# KiCad board SleepyWoof_panelized.kicad_pcb
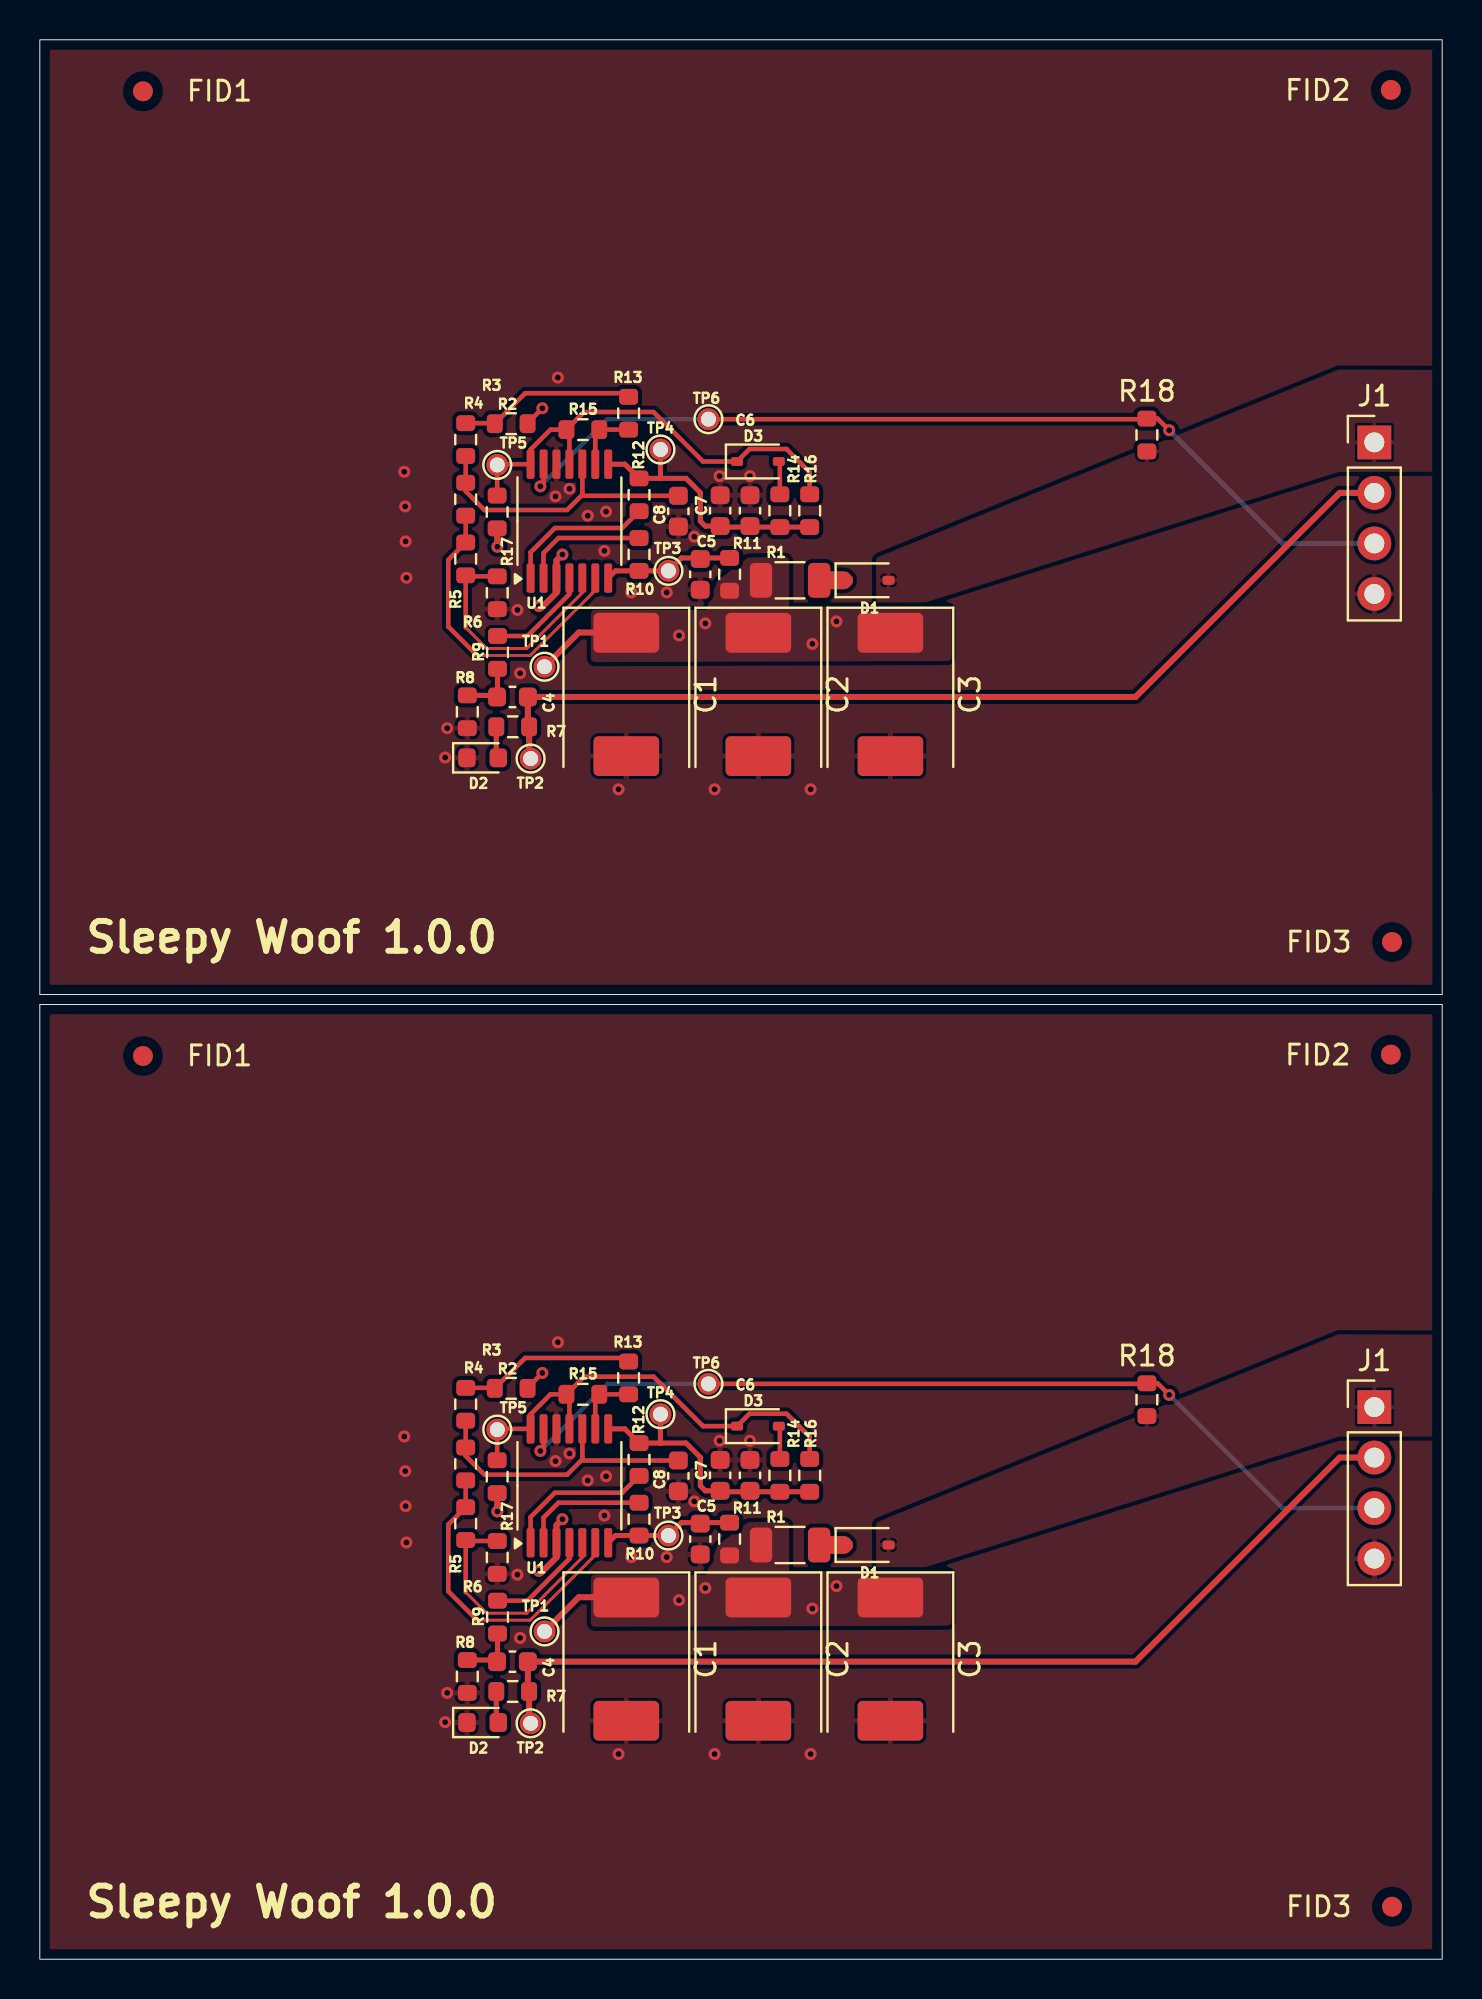
[diagram p0: board, top side]
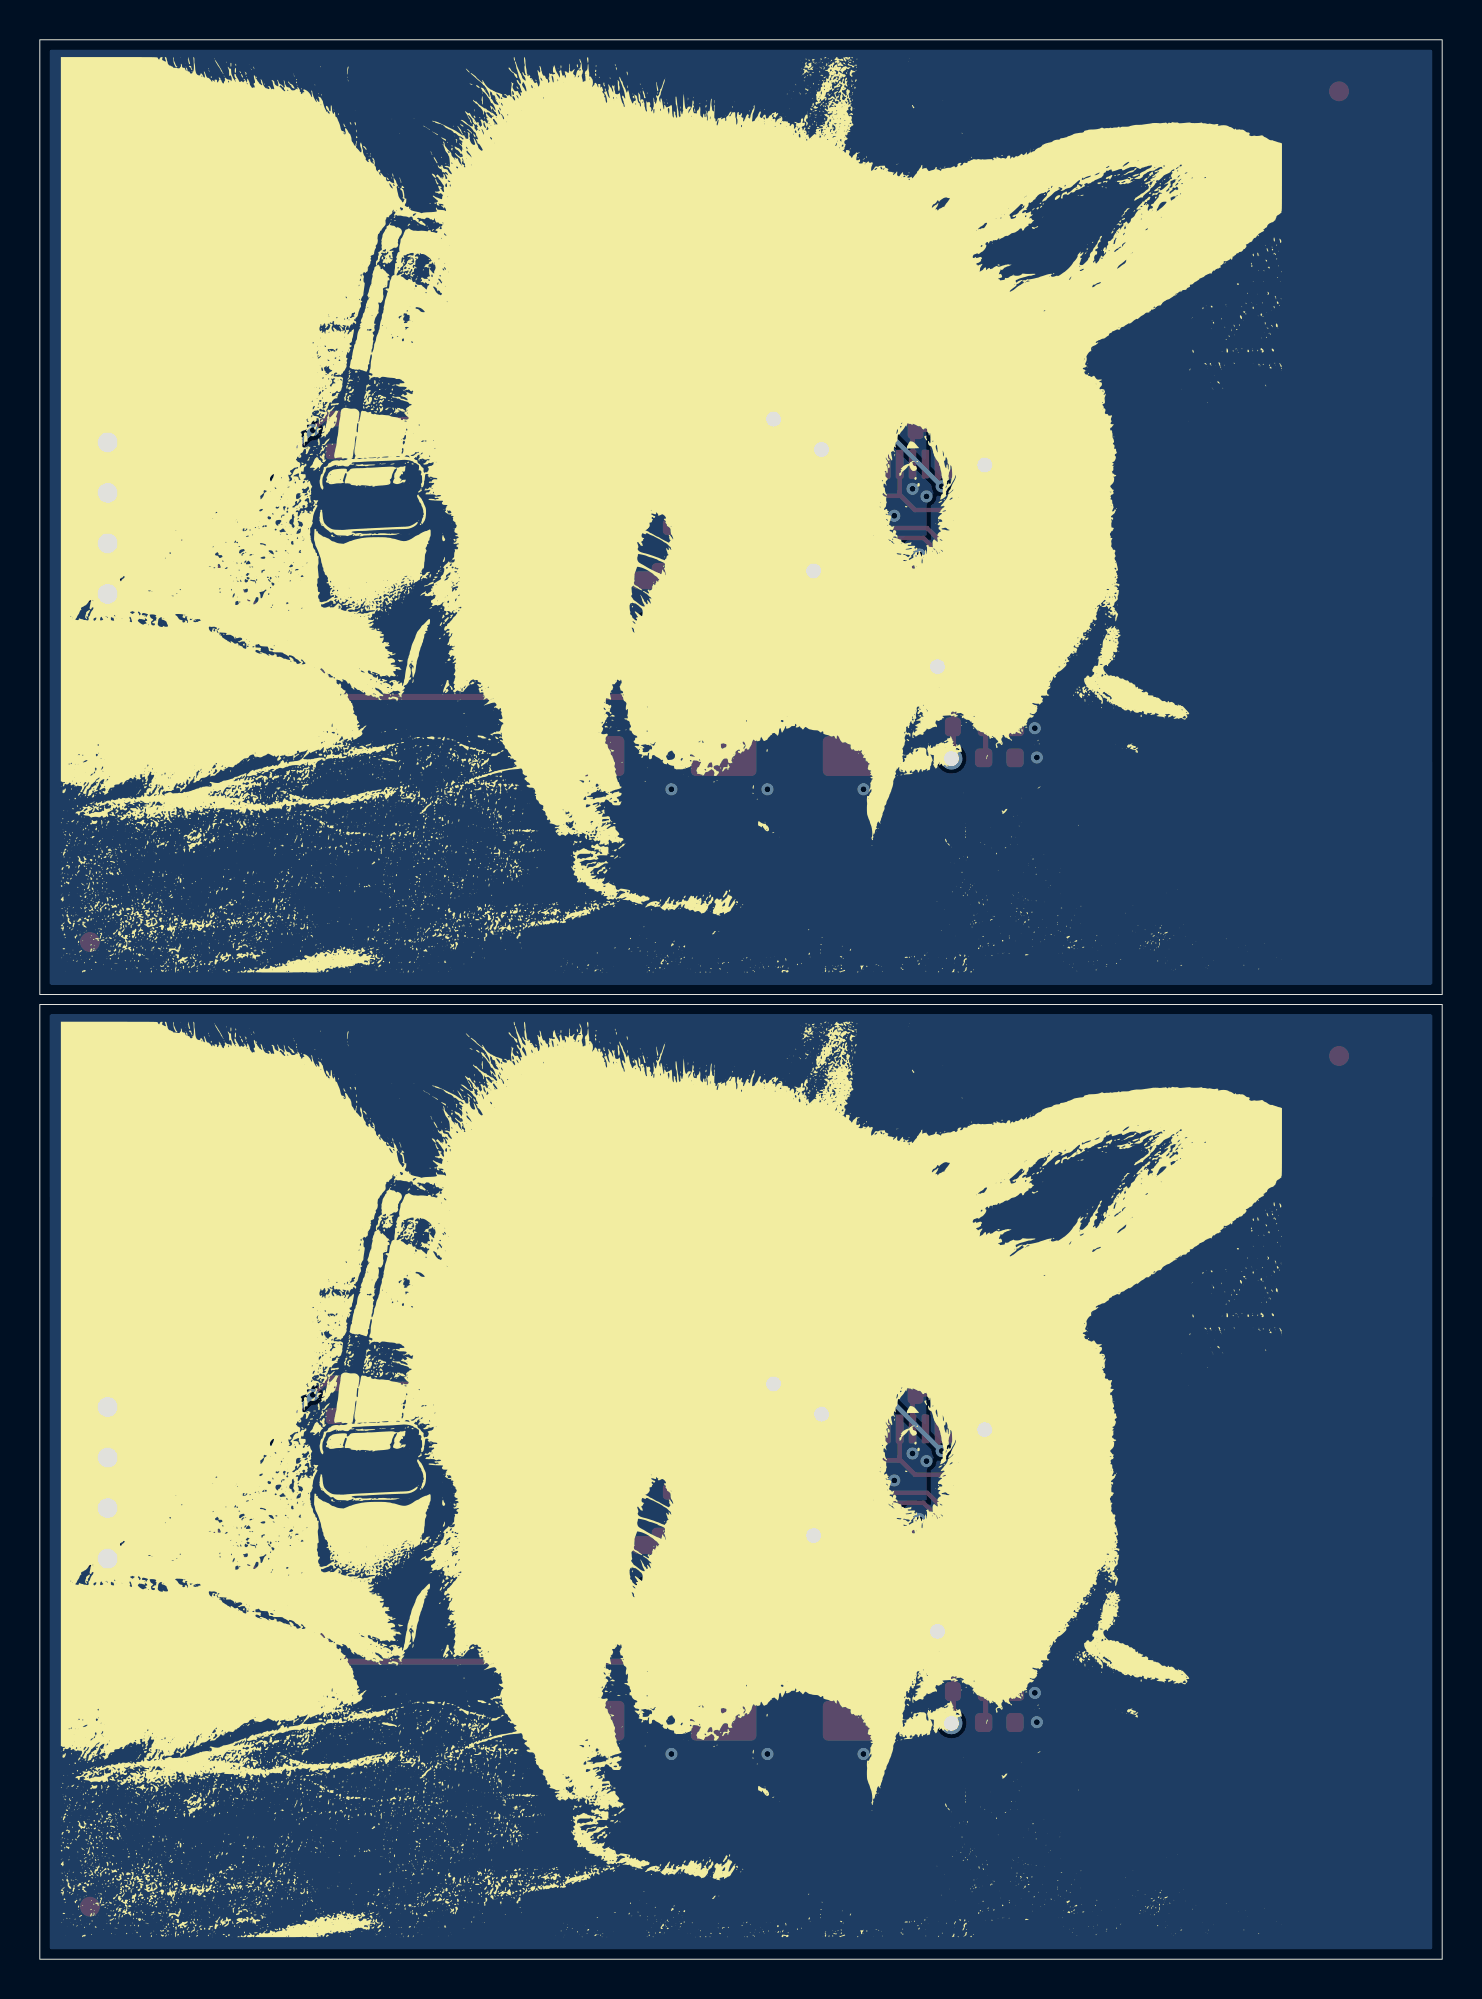
[diagram p1: board, bottom side, seen from below]

Outline 70.47 x 96.5 mm; copper layers: Top, Bottom. Coordinates in mm from the lower left corner of the outline.
Outline path: rectangle 0,96.5 70.47,48.5 ; rectangle 0,48 70.47,0
Stack: Top 0.035mm / dielectric 1.51mm FR4 er 4.5 / Bottom 0.035mm

## Placement (name value [footprint] x y rotation side)
C1  220u  [CP_EIA-7361-38_AVX-V]  29.47 15.09 270 top
C1#2  220u  [CP_EIA-7361-38_AVX-V]  29.47 63.59 270 top
C2  220u  [CP_EIA-7361-38_AVX-V]  36.11 15.09 270 top
C2#2  220u  [CP_EIA-7361-38_AVX-V]  36.11 63.59 270 top
C3  220u  [CP_EIA-7361-38_AVX-V]  42.74 15.09 270 top
C3#2  220u  [CP_EIA-7361-38_AVX-V]  42.74 63.59 270 top
C4  10u  [C_0603_1608Metric]  23.75 14.96 180 top
C4#2  10u  [C_0603_1608Metric]  23.75 63.46 180 top
C5  10u  [C_0603_1608Metric]  33.19 21.12 90 top
C5#2  10u  [C_0603_1608Metric]  33.19 69.62 90 top
C6  10u  [C_0603_1608Metric]  35.69 24.33 270 top
C6#2  10u  [C_0603_1608Metric]  35.69 72.83 270 top
C7  10u  [C_0603_1608Metric]  34.19 24.33 270 top
C7#2  10u  [C_0603_1608Metric]  34.19 72.83 270 top
C8  10u  [C_0603_1608Metric]  32.09 72.8 90 top
C8#2  10u  [C_0603_1608Metric]  32.09 24.3 90 top
D1  1N4151WS  [D_SOD-323]  41.6 20.83 0 top
D1#2  1N4151WS  [D_SOD-323]  41.6 69.33 0 top
D2  GREEN  [LED_0603_1608Metric]  22.25 60.4 0 top
D2#2  GREEN  [LED_0603_1608Metric]  22.25 11.9 0 top
D3  1N4151WS  [D_SOD-323]  36.09 26.8 0 top
D3#2  1N4151WS  [D_SOD-323]  36.09 75.3 0 top
FID1  Fiducial  [Fiducial_1mm_Mask2mm]  5.18 45.41 0 top
FID1#2  Fiducial  [Fiducial_1mm_Mask2mm]  5.18 93.91 0 top
FID2  Fiducial  [Fiducial_1mm_Mask2mm]  67.89 45.48 0 top
FID2#2  Fiducial  [Fiducial_1mm_Mask2mm]  67.89 93.98 0 top
FID3  Fiducial  [Fiducial_1mm_Mask2mm]  67.95 2.64 0 top
FID3#2  Fiducial  [Fiducial_1mm_Mask2mm]  67.95 51.14 0 top
G***  LOGO  [sleepy_charlie]  38.73 24.12 180 bottom
G***#2  LOGO  [sleepy_charlie]  38.73 72.62 180 bottom
J1  Conn_01x04  [PinHeader_1x04_P2.54mm_Vertical]  67.06 27.76 0 top
J1#2  Conn_01x04  [PinHeader_1x04_P2.54mm_Vertical]  67.06 76.26 0 top
R1  10 (1206)  [R_1206_3216Metric]  37.7 20.83 180 top
R1#2  10 (1206)  [R_1206_3216Metric]  37.7 69.33 180 top
R2  10k  [R_0603_1608Metric]  23.69 28.7 180 top
R2#2  10k  [R_0603_1608Metric]  23.69 77.2 180 top
R3  10k  [R_0603_1608Metric]  21.4 27.9 270 top
R3#2  10k  [R_0603_1608Metric]  21.4 76.4 270 top
R4  10k  [R_0603_1608Metric]  21.4 24.9 270 top
R4#2  10k  [R_0603_1608Metric]  21.4 73.4 270 top
R5  3.0k  [R_0603_1608Metric]  21.4 21.9 270 top
R5#2  3.0k  [R_0603_1608Metric]  21.4 70.4 270 top
R6  3.0k  [R_0603_1608Metric]  22.99 20.2 270 top
R6#2  3.0k  [R_0603_1608Metric]  22.99 68.7 270 top
R7  3.0k  [R_0603_1608Metric]  23.76 13.46 180 top
R7#2  3.0k  [R_0603_1608Metric]  23.76 61.96 180 top
R8  10k  [R_0603_1608Metric]  21.48 14.22 270 top
R8#2  10k  [R_0603_1608Metric]  21.48 62.72 270 top
R9  10k  [R_0603_1608Metric]  23 17.2 90 top
R9#2  10k  [R_0603_1608Metric]  23 65.7 90 top
R10  1k  [R_0603_1608Metric]  30.11 22.12 270 top
R10#2  1k  [R_0603_1608Metric]  30.11 70.62 270 top
R11  100k  [R_0603_1608Metric]  34.66 21.12 90 top
R11#2  100k  [R_0603_1608Metric]  34.66 69.62 90 top
R12  1k  [R_0603_1608Metric]  30.11 25.12 90 top
R12#2  1k  [R_0603_1608Metric]  30.11 73.62 90 top
R13  100k  [R_0603_1608Metric]  29.59 29.23 90 top
R13#2  100k  [R_0603_1608Metric]  29.59 77.73 90 top
R14  100k  [R_0603_1608Metric]  37.19 24.33 270 top
R14#2  100k  [R_0603_1608Metric]  37.19 72.83 270 top
R15  100k  [R_0603_1608Metric]  27.29 28.4 180 top
R15#2  100k  [R_0603_1608Metric]  27.29 76.9 180 top
R16  4.7M  [R_0603_1608Metric]  38.69 24.33 270 top
R16#2  4.7M  [R_0603_1608Metric]  38.69 72.83 270 top
R17  100k  [R_0603_1608Metric]  22.98 24.26 270 top
R17#2  100k  [R_0603_1608Metric]  22.98 72.76 270 top
R18  100k  [R_0603_1608Metric]  55.63 28.13 270 top
R18#2  100k  [R_0603_1608Metric]  55.63 76.63 270 top
TP1  TestPoint-MinTH  [TestPoint-0.75mm-th]  25.36 16.48 0 top
TP1#2  TestPoint-MinTH  [TestPoint-0.75mm-th]  25.36 64.98 0 top
TP2  TestPoint-MinTH  [TestPoint-0.75mm-th]  24.66 11.86 0 top
TP2#2  TestPoint-MinTH  [TestPoint-0.75mm-th]  24.66 60.36 0 top
TP3  TestPoint-MinTH  [TestPoint-0.75mm-th]  31.59 21.3 0 top
TP3#2  TestPoint-MinTH  [TestPoint-0.75mm-th]  31.59 69.8 0 top
TP4  TestPoint-MinTH  [TestPoint-0.75mm-th]  31.19 27.4 0 top
TP4#2  TestPoint-MinTH  [TestPoint-0.75mm-th]  31.19 75.9 0 top
TP5  TestPoint-MinTH  [TestPoint-0.75mm-th]  22.99 26.62 0 top
TP5#2  TestPoint-MinTH  [TestPoint-0.75mm-th]  22.99 75.12 0 top
TP6  TestPoint-MinTH  [TestPoint-0.75mm-th]  33.6 28.93 0 top
TP6#2  TestPoint-MinTH  [TestPoint-0.75mm-th]  33.6 77.43 0 top
U1  TLV1704  [TSSOP-14_4.4x5mm_P0.65mm]  26.61 23.8 90 top
U1#2  TLV1704  [TSSOP-14_4.4x5mm_P0.65mm]  26.61 72.3 90 top

## Library data of the parts
C1 = -: Description: 220µF Molded Tantalum Capacitors 25V 2924 (7361 Metric) 100mOhm @ 100kHz; DPN: 478-12518-2-ND; DST: Digi-Key; MFR: Kyocera AVX; MPN: TCN4227M025R0100; ki_fp_filters: CP_*
C1#2 = -: Description: 220µF Molded Tantalum Capacitors 25V 2924 (7361 Metric) 100mOhm @ 100kHz; DPN: 478-12518-2-ND; DST: Digi-Key; MFR: Kyocera AVX; MPN: TCN4227M025R0100
C2 C3 = -: Description: 220µF Molded Tantalum Capacitors 16V 2917 (7343 Metric) 100mOhm @ 100kHz; DPN: 478-12518-2-ND; DST: Digi-Key; MFR: Kyocera AVX; MPN: TCN4227M025R0100; ki_fp_filters: CP_*
C2#2 C3#2 = -: Description: 220µF Molded Tantalum Capacitors 16V 2917 (7343 Metric) 100mOhm @ 100kHz; DPN: 478-12518-2-ND; DST: Digi-Key; MFR: Kyocera AVX; MPN: TCN4227M025R0100
C4-C7 C8#2 = -: Description: 10 µF ±10% 16V Ceramic Capacitor X5R 0603 (1608 Metric); DPN: 490-12317-1-ND; DST: Digi-Key; MFR: Murata; MPN: GRT188R61C106KE13D; ki_fp_filters: C_*
C4#2 C5#2 C6#2 C7#2 C8 = -: Description: 10 µF ±10% 16V Ceramic Capacitor X5R 0603 (1608 Metric); DPN: 490-12317-1-ND; DST: Digi-Key; MFR: Murata; MPN: GRT188R61C106KE13D
D1 D1#2 D3 D3#2 = -: Datasheet: https://www.vishay.com/docs/85847/1n4151ws.pdf; Description: Diode Standard 50V 150mA Surface Mount SOD-323; DPN: 112-1N4151WS-E3-08CT-ND; DST: Digi-Key; MFR: Vishay; MPN: 1N4151WS-E3-08
D2 = -: Description: Green 520nm LED Indication - Discrete 3.2V 0603 (1608 Metric) - 430 mcd @ 20 mA; DPN: 732-4971-1-ND; DST: Digi-Key; MFR: Wurth; MPN: 150060GS75000
D2#2 = -: Description: Green 520nm LED Indication - Discrete 3.2V 0603 (1608 Metric) - 430 mcd @ 20 mA; DPN: 732-4971-1-ND; DST: Digi-Key; MFR: Wurth; MPN: 150060GS75000; ki_fp_filters: LED* LED_SMD:* LED_THT:*
FID1-FID3 = -: Description: Fiducial Marker; ki_fp_filters: Fiducial*
FID1#2 FID2#2 FID3#2 = -: Description: Fiducial Marker
J1 = -: Description: Generic connector, single row, 01x04, script generated (kicad-library-utils/schlib/autogen/connector/); ki_fp_filters: Connector*:*_1x??_*
J1#2 = -: Description: Generic connector, single row, 01x04, script generated (kicad-library-utils/schlib/autogen/connector/)
R1 = -: Description: 10 Ohms ±1% 0.5W, 1/2W Chip Resistor 1206 (3216 Metric) Automotive AEC-Q200, Pulse Withstanding Thick Film; DPN: RHM10.0AFCT-ND; DST: Digi-Key; MFR: Rohm Semiconductor; MPN: ESR18EZPF10R0; ki_fp_filters: R_*
R1#2 = -: Description: 10 Ohms ±1% 0.5W, 1/2W Chip Resistor 1206 (3216 Metric) Automotive AEC-Q200, Pulse Withstanding Thick Film; DPN: RHM10.0AFCT-ND; DST: Digi-Key; MFR: Rohm Semiconductor; MPN: ESR18EZPF10R0
R2-R4 R8 R9 = -: Description: 10 kOhms ±1% 0.1W, 1/10W Chip Resistor 0603 (1608 Metric) Automotive AEC-Q200 Thick Film; DPN: RMCF0603FT10K0CT-ND; DST: Digi-Key; MFR: Stackpole Electronics Inc; MPN: RMCF0603FT10K0; ki_fp_filters: R_*
R2#2 R3#2 R4#2 R8#2 R9#2 = -: Description: 10 kOhms ±1% 0.1W, 1/10W Chip Resistor 0603 (1608 Metric) Automotive AEC-Q200 Thick Film; DPN: RMCF0603FT10K0CT-ND; DST: Digi-Key; MFR: Stackpole Electronics Inc; MPN: RMCF0603FT10K0
R5-R7 = -: Description: 3 kOhms ±1% 0.1W, 1/10W Chip Resistor 0603 (1608 Metric) Automotive AEC-Q200 Thick Film; DPN: RMCF0603FT3K00CT-ND; DST: Digi-Key; MFR: Stackpole Electronics Inc; MPN: RMCF0603FT3K00; ki_fp_filters: R_*
R5#2 R6#2 R7#2 = -: Description: 3 kOhms ±1% 0.1W, 1/10W Chip Resistor 0603 (1608 Metric) Automotive AEC-Q200 Thick Film; DPN: RMCF0603FT3K00CT-ND; DST: Digi-Key; MFR: Stackpole Electronics Inc; MPN: RMCF0603FT3K00
R10 R12 = -: Description: 1 kOhms ±1% 0.1W, 1/10W Chip Resistor 0603 (1608 Metric) Automotive AEC-Q200 Thick Film; DPN: RMCF0603FT1K00CT-ND; DST: Digi-Key; MFR: Stackpole Electronics Inc; MPN: RMCF0603FT1K00; ki_fp_filters: R_*
R10#2 R12#2 = -: Description: 1 kOhms ±1% 0.1W, 1/10W Chip Resistor 0603 (1608 Metric) Automotive AEC-Q200 Thick Film; DPN: RMCF0603FT1K00CT-ND; DST: Digi-Key; MFR: Stackpole Electronics Inc; MPN: RMCF0603FT1K00
R11 R13-R15 R17 R18 = -: Description: 100 kOhms ±5% 0.1W, 1/10W Chip Resistor 0603 (1608 Metric) Automotive AEC-Q200 Thick Film; DPN: RMCF0603FT100KCT-ND; DST: Digi-Key; MFR: Stackpole Electronics Inc; MPN: RMCF0603FT100K; ki_fp_filters: R_*
R11#2 R13#2 R14#2 R15#2 R17#2 R18#2 = -: Description: 100 kOhms ±5% 0.1W, 1/10W Chip Resistor 0603 (1608 Metric) Automotive AEC-Q200 Thick Film; DPN: RMCF0603FT100KCT-ND; DST: Digi-Key; MFR: Stackpole Electronics Inc; MPN: RMCF0603FT100K
R16 = -: Description: 4.7 MOhms ±1% 0.1W, 1/10W Chip Resistor 0603 (1608 Metric) Automotive AEC-Q200 Thick Film; DPN: RMCF0603FT4M70CT-ND; DST: Digi-Key; MFR: Stackpole Electronics Inc; MPN: RMCF0603FT4M70; ki_fp_filters: R_*
R16#2 = -: Description: 4.7 MOhms ±1% 0.1W, 1/10W Chip Resistor 0603 (1608 Metric) Automotive AEC-Q200 Thick Film; DPN: RMCF0603FT4M70CT-ND; DST: Digi-Key; MFR: Stackpole Electronics Inc; MPN: RMCF0603FT4M70
TP1 TP1#2 TP2 TP2#2 TP3 TP3#2 TP4 TP4#2 TP5 TP5#2 TP6 TP6#2 = -: Description: 0.75 mm TH test point; good for scope probes and jumpers
U1 = -: Datasheet: https://www.ti.com/lit/ds/symlink/tlv1704-sep.pdf; Description: Analog Comparators 2.2-V to 36-V, radiation tolerant microPower quad comparator in space enhanced plastic 14-TSSOP -55 to 125; MFR: Texas Instruments; MPN: TLV1704AQPWRQ1; DST: Digi-Key; DPN: 296-43799-2-ND; ki_fp_filters: SOIC*3.9x8.7mm*P1.27mm* TSSOP*4.4x5mm*P0.65mm*
U1#2 = -: Datasheet: https://www.ti.com/lit/ds/symlink/tlv1704-sep.pdf; Description: Analog Comparators 2.2-V to 36-V, radiation tolerant microPower quad comparator in space enhanced plastic 14-TSSOP -55 to 125; MFR: Texas Instruments; MPN: TLV1704AQPWRQ1; DST: Digi-Key; DPN: 296-43799-2-ND

## Footprints (pads in the part's own frame, mm; a bottom-side part is the same pattern mirrored in y, then rotated)
C_0603_1608Metric
  rrect 0.9x0.95 smd: 1(-0.775,0) 2(0.775,0)
CP_EIA-7361-38_AVX-V
  rrect 2x3.3 smd: 1(-3.1,0) 2(3.1,0)
D_SOD-323
  rrect 0.6x0.45 smd: 1(-1.05,0) 2(1.05,0)
Fiducial_1mm_Mask2mm
  round 1 smd: (0,0)
LED_0603_1608Metric
  rrect 0.875x0.95 smd: 1(-0.787,0) 2(0.787,0)
PinHeader_1x04_P2.54mm_Vertical
  rect 1.7x1.7 hole 1: 1(0,0)
  oval 1.7x1.7 hole 1: 2(0,-2.54) 3(0,-5.08) 4(0,-7.62)
R_0603_1608Metric
  rrect 0.8x0.95 smd: 1(-0.825,0) 2(0.825,0)
R_1206_3216Metric
  rrect 1.125x1.75 smd: 1(-1.462,0) 2(1.462,0)
TestPoint-0.75mm-th
  round 1.1 hole 0.75: 1(0,0)
TSSOP-14_4.4x5mm_P0.65mm
  rrect 1.475x0.4 smd: 1(-2.862,1.95) 2(-2.862,1.3) 3(-2.862,0.65) 4(-2.862,0) 5(-2.862,-0.65) 6(-2.862,-1.3) 7(-2.862,-1.95) 8(2.862,-1.95) 9(2.862,-1.3) 10(2.862,-0.65) 11(2.862,0) 12(2.862,0.65) 13(2.862,1.3) 14(2.862,1.95)

## Nets
GND: C1.2 C1#2.2 C2.2 C2#2.2 C3.2 C3#2.2 C5.1 C5#2.1 C6.1 C6#2.1 C7.1 C7#2.1 C8.1 C8#2.1 D2.1 D2#2.1 J1.4 J1#2.4 R6.2 R6#2.2 R8.2 R8#2.2 U1.12 U1#2.12
VBATT: D1.2 D1#2.2 J1.1 J1#2.1 R18.2 R18#2.2
/WDT-VIN: C1.1 C1#2.1 C2.1 C2#2.1 C3.1 C3#2.1 R1.2 R1#2.2 R2.1 R2#2.1 R11.1 R11#2.1 R17.2 R17#2.2 TP1.1 TP1#2.1 U1.3 U1#2.3
/WDT-VP: R5.2 R5#2.2 R6.1 R6#2.1 U1.5 U1#2.5
PET_WDT: C4.1 C4#2.1 J1.2 J1#2.2 R7.1 R7#2.1 TP2.1 TP2#2.1
WDT_OUT: J1.3 J1#2.3 R18.1 R18#2.1 TP6.1 TP6#2.1 U1.13 U1#2.13
Net-(C4-Pad2): C4.2 C4#2.2 R8.1 R8#2.1 R9.1 R9#2.1
Net-(D1-Pad1): D1.1 D1#2.1 R1.1 R1#2.1
Net-(D2-A): D2.2 D2#2.2 R7.2 R7#2.2
Net-(D3-Pad2): D3.2 D3#2.2 R14.1 R14#2.1
Net-(R10-Pad1): R10.1 R10#2.1 U1.2 U1#2.2
Net-(R12-Pad1): R12.1 R12#2.1 U1.1 U1#2.1
Net-(R13-Pad2): R2.2 R2#2.2 R3.1 R3#2.1 R13.2 R13#2.2
Net-(U1A--): R9.2 R9#2.2 U1.4 U1#2.4
Net-(U1B-+): C5.2 C5#2.2 R10.2 R10#2.2 R11.2 R11#2.2 TP3.1 TP3#2.1 U1.7 U1#2.7
Net-(U1B--): R4.2 R4#2.2 R5.1 R5#2.1 U1.6 U1#2.6
Net-(U1C-+): R13.1 R13#2.1 R15.1 R15#2.1 U1.9 U1#2.9
Net-(U1C--): C6.2 C6#2.2 C7.2 C7#2.2 R12.2 R12#2.2 R14.2 R14#2.2 R16.2 R16#2.2 TP4.1 TP4#2.1 U1.8 U1#2.8
Net-(U1D-+): D3.1 D3#2.1 R15.2 R15#2.2 R16.1 R16#2.1 R17.1 R17#2.1 TP5.1 TP5#2.1 U1.11 U1.14 U1#2.11 U1#2.14
Net-(U1D--): C8.2 C8#2.2 R3.2 R3#2.2 R4.1 R4#2.1 U1.10 U1#2.10

## Via types
v1: diameter 0.6, hole 0.3, Top to Bottom, 64 vias

## Routing (per net, layer and track width the routed paths; a pad name or vN(x,y) marks a point on that pad's centre or on a via; arc(x,y) is an arc through that point)
GND:
  vias: v1(18.31,74.78) v1(18.31,26.28) v1(18.36,73.04) v1(18.38,71.28) v1(18.42,69.45) v1(18.36,24.54) v1(18.38,22.78) v1(18.42,20.95) v1(20.37,60.42) v1(20.37,11.92) v1(20.47,61.89) v1(20.47,13.39) v1(24,67.83) v1(24,19.33) v1(24.14,64.65) v1(24.14,16.15) v1(25.92,73.54) v1(25.92,25.04) v1(26.03,79.52) v1(26.03,31.02) v1(26.62,73.93) v1(26.62,25.43) v1(27.53,72.57) v1(27.53,24.07) v1(28.37,70.81) v1(28.37,22.31) v1(28.46,72.78) v1(28.46,24.28) v1(29.08,58.82) v1(29.08,10.32) v1(29.73,68.72) v1(29.73,20.22) v1(31.5,68.72) v1(31.5,20.22) v1(32.89,71.52) v1(32.89,23.02) v1(33.91,58.82) v1(33.91,10.32) v1(34.16,74.56) v1(34.16,26.07) v1(35.69,74.56) v1(35.69,26.07) v1(38.73,58.82) v1(38.73,10.32)
/WDT-VIN: length 20.1
  Top w0.229: R2.1 24.51,28.73 v1(25.25,29.48) ; v1(25.25,77.98) 24.51,77.24 R2#2.1
  Top w0.3: TP1.1 27.08,18.2 29.47,18.2 ; 29.47,66.7 27.08,66.7 TP1#2.1
  Top w0.305: v1(25.08,68.03) 25.29,68.03 25.96,68.7 U1#2.3 25.96,70.32 v1(26.26,70.62) ; R17#2.2 22.98,71.02 v1(22.99,71.01) ; R17.2 22.98,22.52 v1(22.99,22.51) ; v1(25.08,19.53) 25.29,19.53 25.96,20.2 U1.3 25.96,21.82 v1(26.26,22.12)
  vias: v1(32.12,66.55) v1(32.12,18.05) v1(33.44,67.16) v1(33.44,18.66) v1(38.82,66.13) v1(38.82,17.63) v1(40.03,67.26) v1(40.03,18.76)
/WDT-VP: length 24.9
  Top w0.15: U1.5 27.26,20.2 24.46,17.4 22.46,17.4 21.4,18.45 ; 21.4,66.95 22.46,65.9 24.46,65.9 27.26,68.7 U1#2.5
  Top w0.229: 21.4,18.45 R5.2 21.48,21.08 21.53,21.03 R6.1 ; R6#2.1 21.53,69.53 21.48,69.58 R5#2.2 21.4,66.95
PET_WDT: length 99.9
  Top w0.305: TP2#2.1 24.59,60.44 R7#2.1 24.53,62.02 C4#2.1 55.06,63.46 65.32,73.72 J1#2.2 ; J1.2 65.32,25.22 55.06,14.96 C4.1 24.53,13.52 R7.1 24.59,11.94 TP2.1
WDT_OUT: length 94.4
  Top w0.229: 33.67,77.5 TP6#2.1 55.59,77.43 55.64,77.48 ; 55.64,28.98 55.59,28.93 TP6.1 33.67,29 ; R18#2.1 56.17,77.46 v1(56.75,76.87) ; v1(25.15,74.05) 25.31,74.21 U1#2.13 ; R18.1 56.17,28.95 v1(56.75,28.37) ; U1.13 25.31,25.71 v1(25.15,25.55)
  Bottom w0.229: v1(56.75,76.87) 62.44,71.18 J1#2.3 ; v1(25.15,25.55) 28.53,28.93 TP6.1 ; TP6#2.1 28.53,77.43 v1(25.15,74.05) ; v1(56.75,28.37) 62.44,22.68 J1.3
Net-(C4-Pad2): length 5.9
  Top w0.254: R8#2.1 22.9,63.54 C4#2.2 23,63.49 23,64.88 ; R8.1 22.9,15.04 C4.2 23,14.98 R9.1
Net-(D1-Pad1): length 2.4
  Top w0.9: 40.38,69.33 R1#2.1 ; 40.38,20.83 R1.1
Net-(D2-A): length 3.2
  Top w0.254: D2#2.2 22.94,12 R7.2 ; D2.2 22.94,60.5 R7#2.2
Net-(D3-Pad2): length 3.3
  Top w0.229: R14.1 37.19,26.75 D3.2 ; R14#2.1 37.19,75.25 D3#2.2
Net-(R10-Pad1): length 12.7
  Top w0.229: U1#2.2 25.31,70.7 26.06,71.45 R10#2.1 ; U1.2 25.31,22.2 26.06,22.95 R10.1
Net-(R12-Pad1): length 15.2
  Top w0.229: R12#2.1 29.27,71.95 25.88,71.95 24.66,70.73 U1#2.1 ; R12.1 29.27,23.45 25.88,23.45 24.66,22.23 U1.1
Net-(R13-Pad2): length 17.8
  Top w0.229: R13.2 29.41,30.23 24.39,30.23 R2.2 22.84,28.73 R3.1 ; R3#2.1 22.84,77.23 R2#2.2 24.39,78.73 29.41,78.73 R13#2.2
Net-(U1A--): length 10.6
  Top w0.229: U1.4 26.61,20.13 24.51,18.03 R9.2 ; U1#2.4 26.61,68.63 24.51,66.53 R9#2.2
Net-(U1B-+): length 13
  Top w0.254: R11#2.2 32.24,70.45 TP3#2.1 28.93,69.8 U1#2.7 ; R11.2 32.24,21.95 TP3.1 28.93,21.3 U1.7
Net-(U1B--): length 31.8
  Top w0.15: U1#2.6 27.91,68.83 27.74,68.65 27.74,68.64 24.64,65.55 21.98,65.55 21.96,65.56 ; U1.6 27.91,20.33 27.74,20.15 27.74,20.14 24.64,17.05 21.98,17.05 21.96,17.06
  Top w0.229: 21.96,65.56 20.53,67 20.53,70.35 R5#2.1 R4#2.2 ; R4.2 R5.1 20.53,21.85 20.53,18.5 21.96,17.06
Net-(U1C-+): length 6.6
  Top w0.229: U1.9 27.91,28.2 R15.1 R13.1 ; U1#2.9 27.91,76.7 R15#2.1 R13#2.1
Net-(U1C--): length 27.5
  Top w0.254: R16.2 34.24,23.5 C7.2 33.44,23.55 33.19,23.8 33.19,25.23 32.48,25.95 31.18,25.95 ; R16#2.2 34.24,72 C7#2.2 33.44,72.05 33.19,72.3 33.19,73.73 32.48,74.45 31.18,74.45 ; TP4.1 31.19,25.95 31.18,25.95 ; U1#2.8 29.4,75.16 R12#2.2 31.18,74.45 ; 31.18,74.45 31.19,74.46 TP4#2.1 ; 31.18,25.95 R12.2 29.4,26.66 U1.8
Net-(U1D-+): length 46.9
  Top w0.229: R15.2 27.35,29.29 30.84,29.29 33.33,26.8 35.04,26.8 35.66,27.43 37.52,27.43 38.69,26.26 R16.1 ; R15.2 25.66,28.4 24.66,27.4 U1.14 23.03,26.66 TP5.1 22.98,26.62 R17.1 ; R15.2 26.61,28.25 U1.11 ; R16#2.1 38.69,74.76 37.52,75.93 35.66,75.93 35.04,75.3 33.33,75.3 30.84,77.79 27.35,77.79 R15#2.2 ; U1#2.11 26.61,76.75 R15#2.2 ; R15#2.2 25.66,76.9 24.66,75.9 U1#2.14 23.03,75.16 TP5#2.1 22.98,75.12 R17#2.1
Net-(U1D--): length 29.5
  Top w0.229: 27.26,73.63 27.32,73.58 C8.2 ; 27.26,73.63 U1#2.10 ; 27.26,73.63 26.5,72.86 22.34,72.86 21.4,73.8 R4#2.1 R3#2.2 ; C8#2.2 27.32,25.08 27.26,25.13 ; 27.26,25.13 26.5,24.36 22.34,24.36 21.4,25.3 R4.1 R3.2 ; 27.26,25.13 U1.10

## Copper pours and planes (outline as drawn; the poured copper is in the pictures)
GND on Top, Bottom: -30.03,109.35 -30.03,38.34 87.31,38.36 87.31,106.69
GND on Top, Bottom: -30.03,60.85 -30.03,-10.16 87.31,-10.14 87.31,58.19
VBATT on Top: 71.16,26.28 71.15,31.4 65.25,31.42 42.02,21.96 42.03,19.61 44.18,19.61 65.26,26.27
VBATT on Top: 71.16,74.78 71.15,79.9 65.25,79.92 42.02,70.46 42.03,68.11 44.18,68.11 65.26,74.77
/WDT-VIN on Top: 35.59,70.47 34.05,69.31 33.48,67.83 27.69,67.84 27.69,65.21 45.81,65.27 45.81,68.01 37.65,68 37.65,70.51
/WDT-VIN on Top: 35.59,21.97 34.05,20.81 33.48,19.33 27.69,19.34 27.69,16.71 45.81,16.77 45.81,19.51 37.65,19.5 37.65,22.01
/WDT-VIN on Bottom: 21.93,30.24 25.73,30.21 25.69,22.86 27.01,22.84 27.01,19.98 38.01,19.98 38.01,17.51 21.88,17.72
/WDT-VIN on Bottom: 21.93,78.74 25.73,78.71 25.69,71.36 27.01,71.34 27.01,68.48 38.01,68.48 38.01,66.01 21.88,66.22

## Text on the board
User.Comments: V-SCORE
F.Silkscreen: Sleepy Woof 1.0.0
